# Altium PCB XXXX.687253.007.PcbDoc (part 1 of 2)
Units mm, origin at the board's own origin, x right, y up, seen from the top; angles counter-clockwise.
Board outline 88.8 x 99.3 mm, 2 copper layers (Top Layer, Bottom Layer), stack 1.571 mm thick; 138 components, 105 nets, 600 pads, 147 vias.
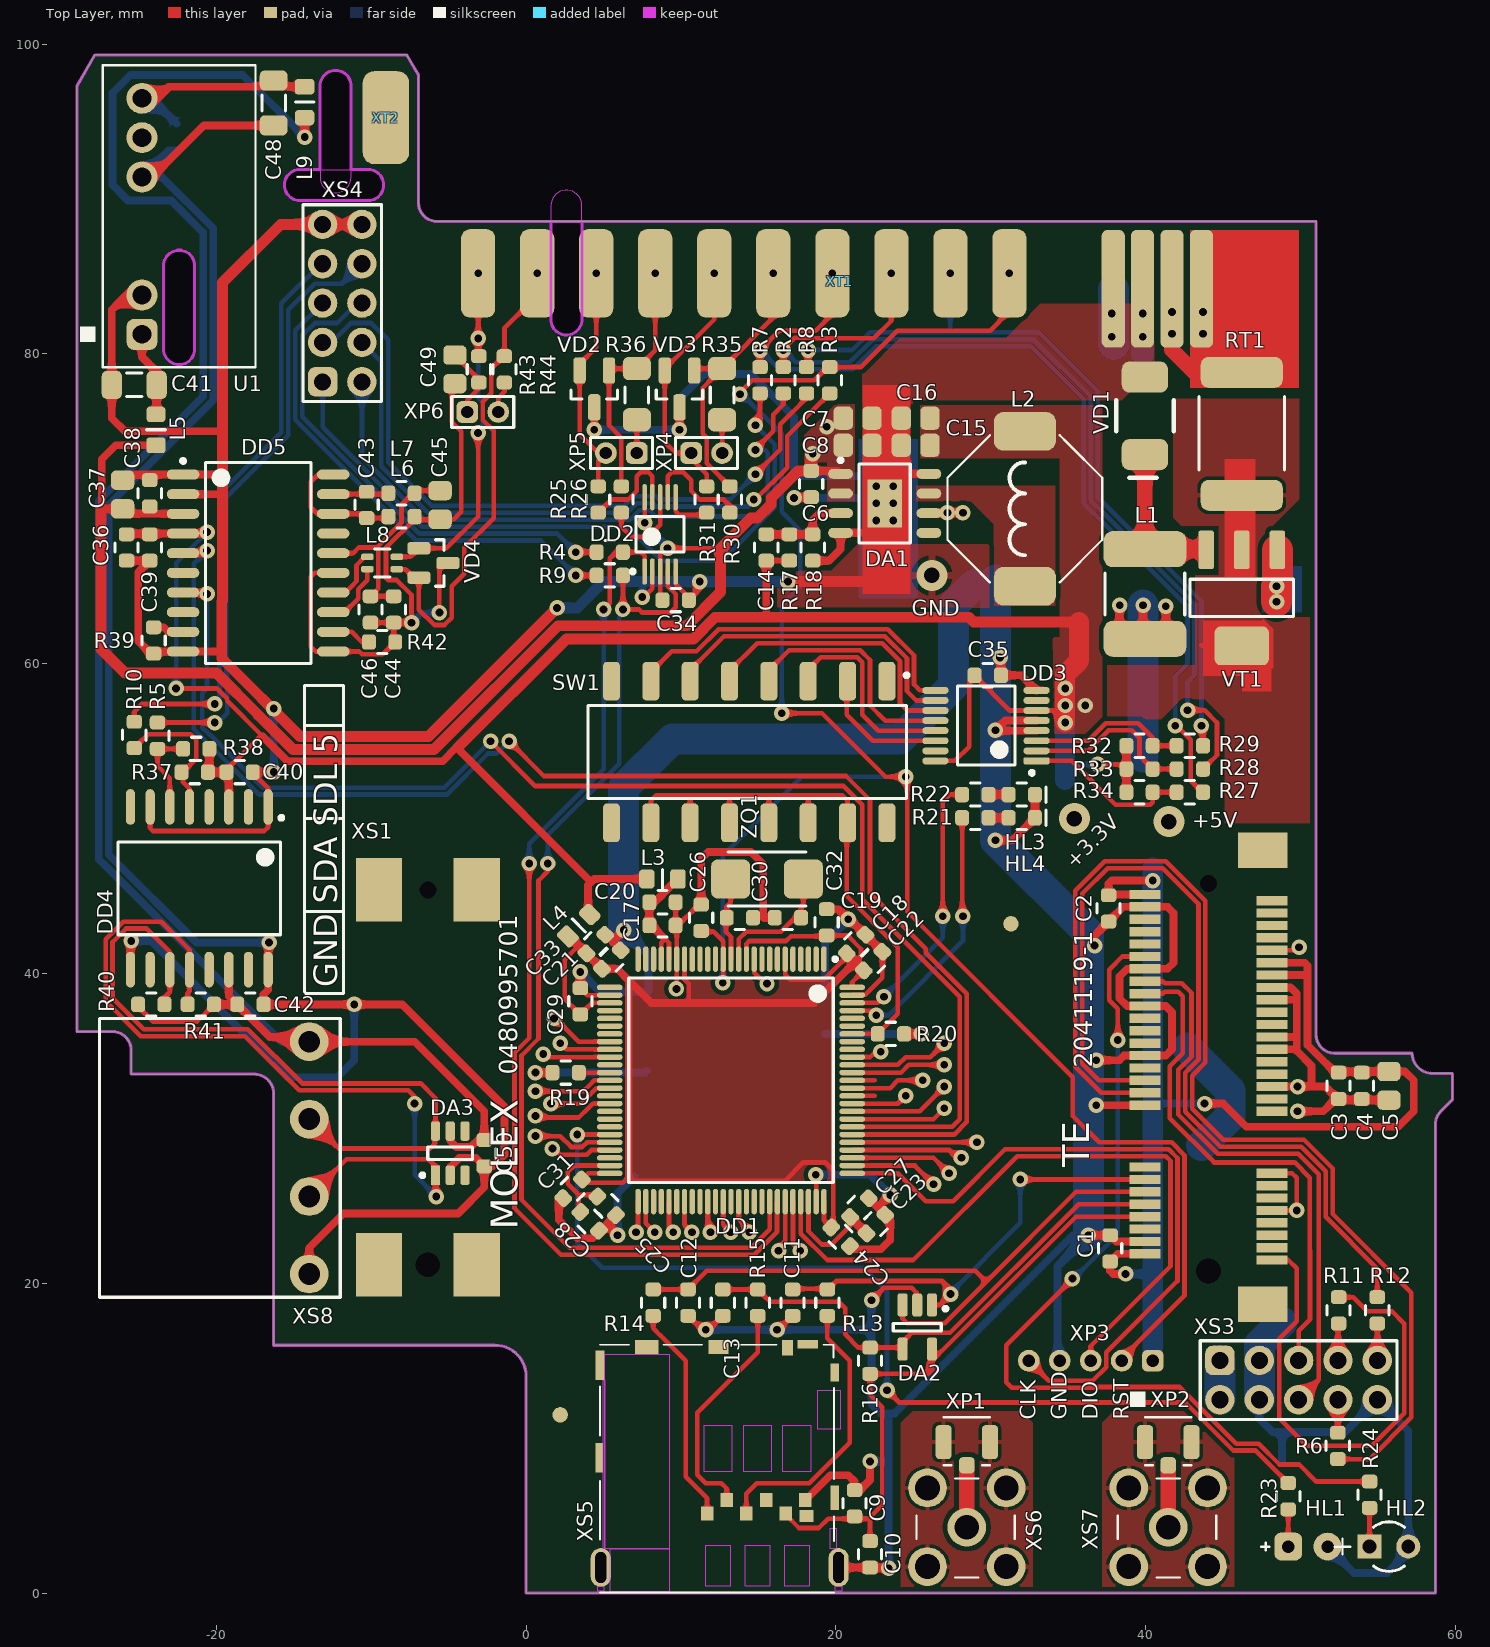
[diagram p0: Top Layer view]
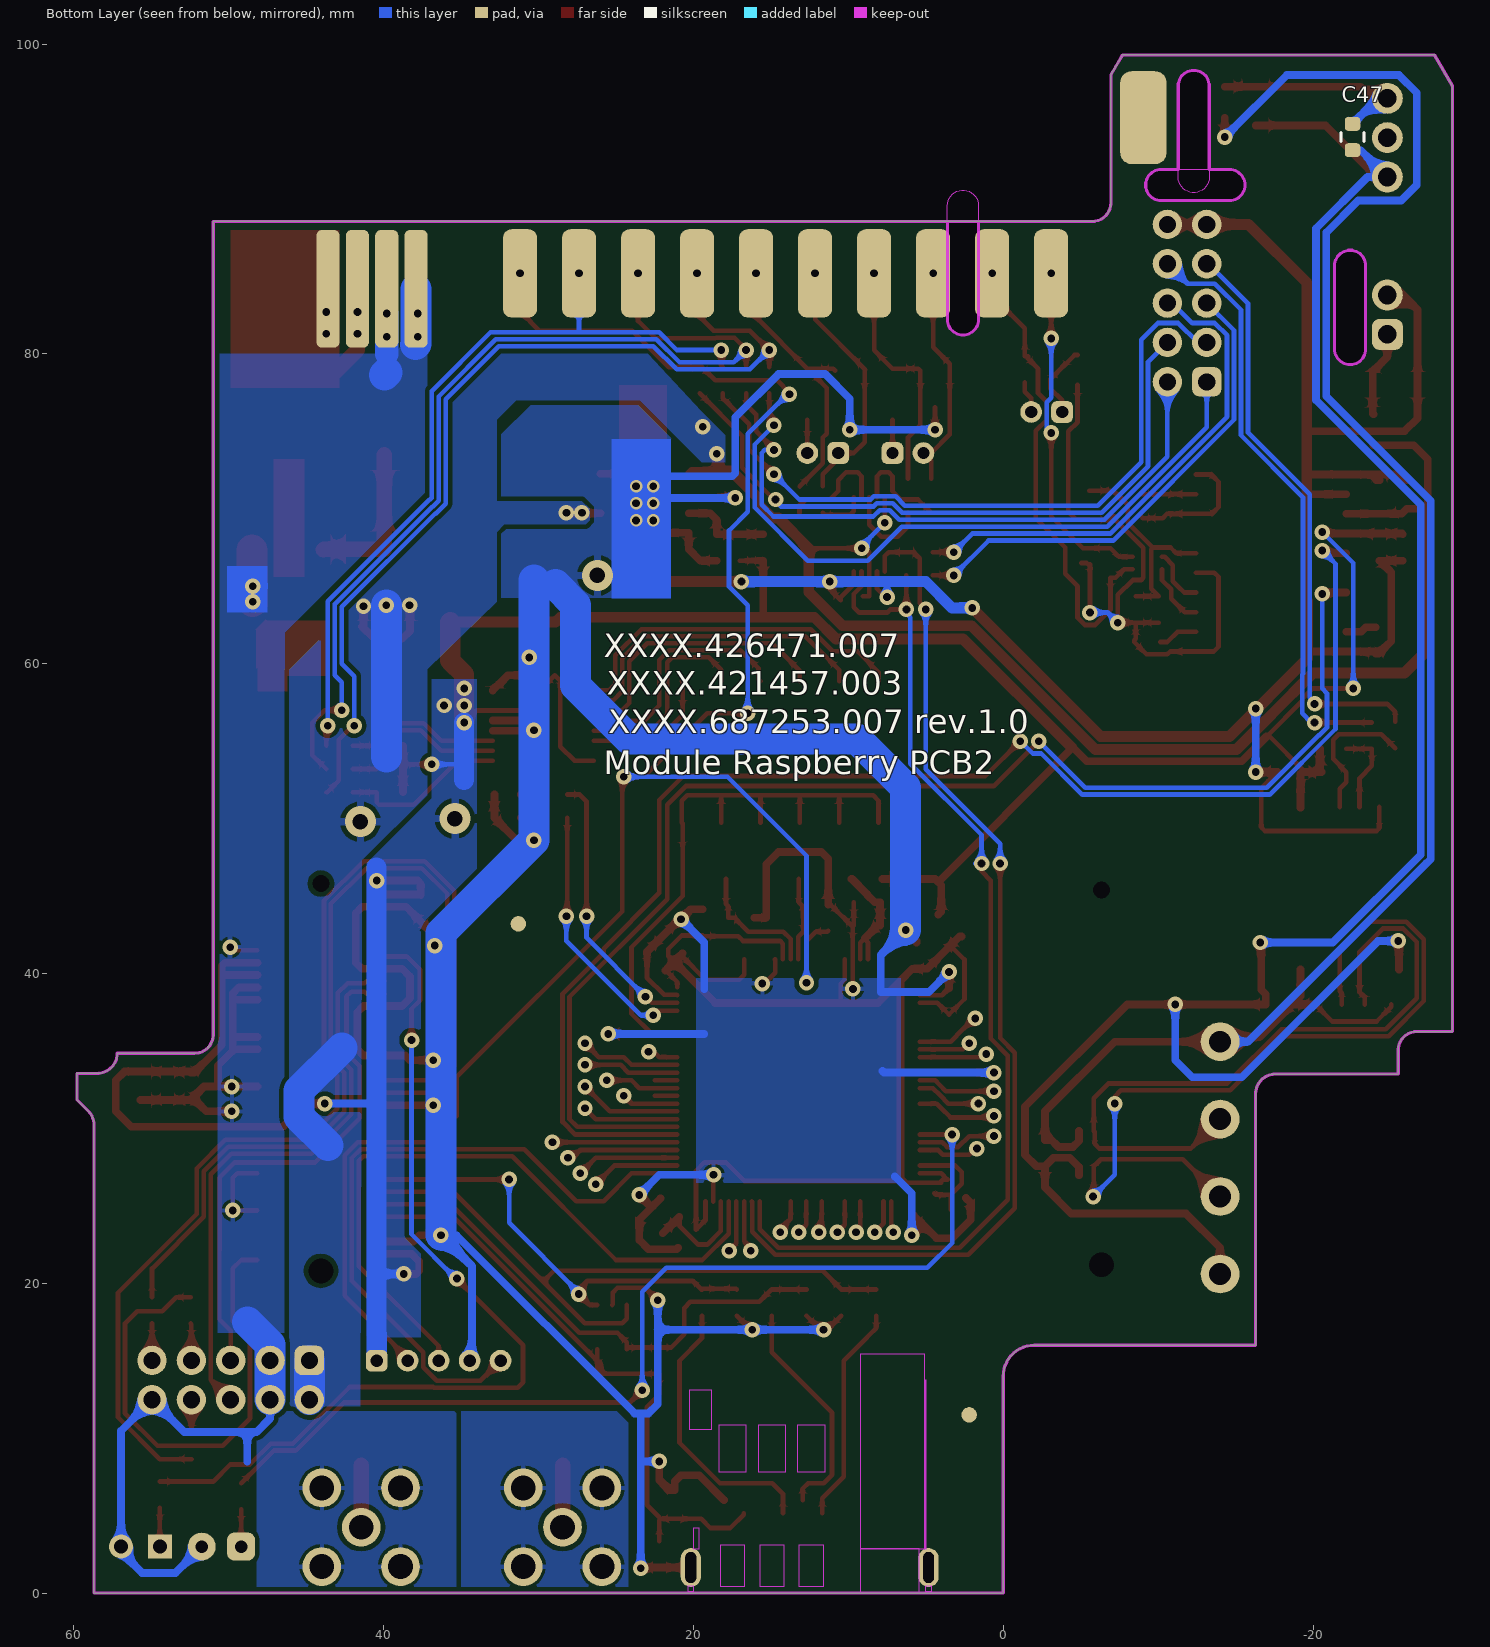
[diagram p1: Bottom Layer view, seen from below]

## Layer stack, top to bottom
Top Solder: solder mask 0.0102, Solder Resist, Dk 3.5
Top Layer: signal copper 0.0356
Dielectric1: core 1.5, FR-4, Dk 4.8
Bottom Layer: signal copper 0.0356
Bottom Solder: solder mask 0.0102, Solder Resist, Dk 3.5

## Board outline
-25.5,33.5 -25.5,35.05 ccw(c-26.7,35.05) -26.7,36.25 -29,36.25 -29,97.3 -27.845,99.3 -7.7,99.3 -7.3,98.607 -6.95,98.001 -6.95,89.75 ccw(c-5.75,89.75) -5.75,88.55 51,88.55 51,36.9 51,36.05 ccw(c52.2,36.05) 51.069,35.65 ccw(c52.2,36.05) 52.2,34.85 57.2,34.85 ccw(c58.5,34.85) 58.5,33.55 59.8,33.55 59.8,31.85 59.051,31.101 ccw(c59.9,30.253) 58.7,30.253 58.7,24.35 58.7,0 0,0 0,14 ccw(c-2,14) -2,16 -16.3,16 -16.3,32.25 ccw(c-17.55,32.25) -17.55,33.5
cut-out: -14.6,89.899 cw(c-14.6,90.9) -14.6,91.9 -10.2,91.9 cw(c-10.2,90.9) -10.2,89.899
cut-out: -13.3,91.4 ccw(c-12.3,91.4) -11.3,91.4 -11.3,97.3 ccw(c-12.3,97.3) -13.3,97.3
cut-out: -23.4,80.313 ccw(c-22.4,80.313) -21.399,80.313 -21.399,85.688 ccw(c-22.4,85.688) -23.4,85.688
cut-out: 1.6,82.225 ccw(c2.6,82.225) 3.601,82.225 3.601,89.575 ccw(c2.6,89.575) 1.6,89.575

## Design rules (kind name [scope] priority, off if disabled: settings)
Clearance [All] p1: gap=0.15 ignorepadtopadclearanceinfootprint=FALSE except(0.3: Arc-Fill Arc-Poly Arc-Region Track-Fill Track-Poly Track-Region SMDPad-Fill SMDPad-Poly SMDPad-Region THPad-Fill THPad-Poly THPad-Region Via-Fill Via-Poly Via-Region Fill-Fill Fill-Poly Fill-Region Poly-Poly Poly-Region Region-Region)
ComponentClearance [All] p1: gap=-0.5 collisioncheckmode=3 verticalgap=-0.5 showdistances=FALSE
DiffPairsRouting [All] p1: maxlimit=0.254 minlimit=0.254 mostfreqgap=0.254 toplayer_minwidth=0.3 toplayer_maxwidth=0.381 toplayer_prefwidth=0.381 bottomlayer_minwidth=0.3 bottomlayer_maxwidth=0.381 bottomlayer_prefwidth=0.381 maxuncoupledlength=20
HoleSize [All] p1: absolutevalues=TRUE maxlimit=5 minlimit=0.025 maxpercent=80.000 minpercent=20.000
HoleToHoleClearance [All] p1: gap=0.1 allowstackedmicrovias=TRUE
MinimumSolderMaskSliver [All] p1: minsoldermaskwidth=0.01
PlaneClearance [All] p1: clearance=0.2
PolygonConnect PolygonConnect_8 [(ObjectKind = 'Via') And (PadViaLibraryTemplate = 'v200h100')] p1: connectstyle=Relief reliefconductorwidth=0.5 reliefentries=4 polygonreliefangle="90 Angle" airgapwidth=0.3
PolygonConnect PolygonConnect_7 [(ObjectKind = 'Pad') And (Component = 'C8')] p2: connectstyle=Direct reliefconductorwidth=0.254 reliefentries=4 polygonreliefangle="90 Angle" airgapwidth=0.254
PolygonConnect PolygonConnect_6 [(ObjectKind = 'Pad') And (Component = 'L2')] p3: connectstyle=Direct reliefconductorwidth=0.254 reliefentries=4 polygonreliefangle="90 Angle" airgapwidth=0.254
PolygonConnect PolygonConnect_5 [(ObjectKind = 'Pad') And (Component = 'DA1')] p4: connectstyle=Direct reliefconductorwidth=0.254 reliefentries=4 polygonreliefangle="90 Angle" airgapwidth=0.254
PolygonConnect PolygonConnect_4 [InNet('+3,3 В_GSM')] p5: connectstyle=Direct reliefconductorwidth=0.254 reliefentries=4 polygonreliefangle="90 Angle" airgapwidth=0.254
PolygonConnect PolygonConnect_3 [(ObjectKind = 'Pad') And (Name = 'XT1-11')] p6: connectstyle=Direct reliefconductorwidth=0.254 reliefentries=4 polygonreliefangle="90 Angle" airgapwidth=0.254
PolygonConnect PolygonConnect_2 [(ObjectKind = 'Pad') And (Component = 'VD1')] p7: connectstyle=Direct reliefconductorwidth=0.254 reliefentries=4 polygonreliefangle="90 Angle" airgapwidth=0.254
PolygonConnect PolygonConnect_1 [InNet('+5 В')] p8: connectstyle=Direct reliefconductorwidth=0.254 reliefentries=4 polygonreliefangle="90 Angle" airgapwidth=0.254
PolygonConnect [All] p9: connectstyle=Relief reliefconductorwidth=0.3 reliefentries=4 polygonreliefangle="90 Angle" airgapwidth=0.2
RoomDefinition "XXXX.426471.007 Secondary_PCB_Raspberry_List2" [InComponentClass('XXXX.426471.007 Secondary_PCB_Raspberry_List2')] p1: confinementstyle=ConfineIn formatcopy=TRUE lockcomponents=FALSE outline 60.749,24.25 331.499,24.25 331.499,41.499 60.749,41.499
RoomDefinition "XXXX.426471.007 Secondary_PCB_Raspberry_List1" [InComponentClass('XXXX.426471.007 Secondary_PCB_Raspberry_List1')] p2: confinementstyle=ConfineIn formatcopy=TRUE lockcomponents=FALSE outline 60.749,1.75 603.748,1.75 603.748,23.25 60.749,23.25
RoutingCorners [All] p1: cornerstyle=45-Degree minsetback=2.5 maxsetback=2.5
RoutingVias [All] p1: holewidth=0.5 width=1 viastyle="Through Hole" minholewidth=0.5 minwidth=1 maxholewidth=1.5 maxwidth=2
SilkToSilkClearance [All] p1: silktosilkclearance=0
SilkToSolderMaskClearance SilkscreenOverComponentPads [IsPad] p1: minsilkscreentomaskgap=0 clearancetoexposedcopper=TRUE
SolderMaskExpansion [All] p1: expansion=0.1
Width [All] p1: maxlimit=2 minlimit=0.3 preferedwidth=0.5
21 further rules are at their usual default settings.

## Classes and differential pairs
component class MCU: DD1
component class RS422_M: DD2
component class sel: DD3
component class "XXXX.426471.007 Secondary_PCB_Raspberry_List1": C1 C2 C3 C4 C5 C6 C7 C8 C9 C10 C11 C12 C13 C14 C15 C16 C17 C18 C19 C20 C21 C22 C23 C24 C25 C26 C27 C28 C29 C30 C31 C32 C33 DA1 DA2 DD1 HL1 HL2 HL3 HL4 L1 L2 L3 L4 R2 R3 R4 R5 R6 R7 R8 R9 R10 R11 R12 R13 R14 R15 R16 R17 R18 R19 R20 R21 R22 R23 R24 RT1 VD1 VT1 XP1 XP2 XP3 XS1 XS2 XS3 XS4 XS5 XS6 XS7 XT1 ZQ1
component class "XXXX.426471.007 Secondary_PCB_Raspberry_List2": C34 C35 C36 C37 C38 C39 C40 C41 C42 C43 C44 C45 C46 C47 C48 C49 C50 C53 DA3 DD2 DD3 DD4 DD5 L5 L6 L7 L8 L9 R25 R26 R27 R28 R29 R30 R31 R32 R33 R34 R35 R36 R37 R38 R39 R40 R41 R42 R43 R44 R45 R46 SW1 U1 VD2 VD3 VD4 VD5 XP4 XP5 XP6 XS8 XT2
differential pair USB_EC25_D3: +USB_EC25_D3_P -USB_EC25_D3_N

## Components (designator, comment, footprint, x,y, rotation, side; value= is the part's Value field where it differs from the comment)
C1 "0,1мк" CAPC1608N_SL 37.7,22.25 r90 top
C2 "0,1мк" CAPC1608N_SL 37.6,44.2 r270 top
C3 "0,1мк" CAPC1608N_SL 52.45,32.75 r270 top
C4 "0,1мк" CAPC1608N_SL 53.95,32.75 r270 top
C5 "10мк" CAPC2012N 55.7,32.75 r270 top
C6 "0,1мк" CAPC1608N_sl 18.4,71.6 r270 top
C7 "10мк" CAPC2012N 21.4,75.85 r0 top
C8 "10мк" CAPC2012N 21.4,74.1 r0 top
C9 "0,1мк" CAPC1608N_SL 21.2,5.8 r90 top
C10 "33" CAPC1608N_SL 22.2,2.5 r270 top
C11 "33" CAPC1608N_SL 17.2,18.75 r270 top
C12 "33" CAPC1608N_SL 10.45,18.75 r270 top
C13 "33" CAPC1608N_SL 12.7,18.75 r270 top
C14 "33" CAPC1608N_SL 15.5,67.5 r90 top
C15 "10мк" CAPC2012N 25.15,74.1 r180 top
C16 "10мк" CAPC2012N 25.15,75.85 r180 top
C17 "0,1мк" CAPC1608N_SL 8.8,43.1 r0 top
C18 "0,1мк" CAPC1608N_SL 21.3,41.9 r45 top
C19 "20" CAPC1608N_SL 16.9,43.6 r0 top
C20 "1мк" CAPC1608N_SL 8.8,44.6 r0 top
C21 "0,1мк" CAPC1608N_SL 5.5,40.9 r45 top
C22 "0,1мк" CAPC1608N_SL 22.4,40.8 r45 top
C23 "2,2мк" CAPC1608N_SL 22.578,23.822 r45 top
C24 "0,1мк" CAPC1608N_SL 20.3,23 r315 top
C25 "2,2мк" CAPC1608N_SL 5.199,25.001 r135 top
C26 "0,1мк" CAPC1608N_SL 11.3,43.6 r270 top
C27 "0,1мк" CAPC1608N_SL 21.517,24.883 r225 top
C28 "0,1мк" CAPC1608N_SL 4.1,24 r315 top
C29 "0,1мк" CAPC1608N_SL 3.5,38.2 r90 top
C30 "20" CAPC1608N_SL 13.8,43.6 r180 top
C31 "0,1мк" CAPC1608N_SL 3,26.1 r225 top
C32 "0,1мк" CAPC1608N_SL 19.4,43.3 r90 top
C33 "4,7мк" CAPC1608N_SL 4.5,41.9 r45 top
C34 "0,1мк" CAPC1608N_SL 9.65,64.1 r180 top
C35 "0,1мк" CAPC1608N_SL 29.8,59.25 r180 top
C36 "0,01мк" CAPC1608N_SL -25.8,67.5 r90 top
C37 "10мк" CAPC2012N -26.05,70.925 r90 top
C38 "0,1мк" CAPC1608N_SL -24.3,71 r90 top
C39 "0,1мк" CAPC1608N_SL -24.3,67.5 r90 top
C40 "0,1мк" CAPC1608N_SL -18.5,53 r0 top
C41 "2,2мк" CAPC3216N -25.3,78 r180 top
C42 "0,1мк" CAPC1608N_SL -17.8,38 r0 top
C43 "0,1мк" CAPC1608N_SL -10.3,70.25 r90 top
C44 "0,01мк" CAPC1608N_SL -8.55,63.5 r270 top
C45 "10мк" CAPC2012N -5.55,70.25 r90 top
C46 "0,1мк" CAPC1608N_SL -10.05,63.5 r270 top
C47 "0,1мк" CAPC1608N_SL -22.55,94 r270 bottom
C48 "2,2мк" CAPC3216N -16.3,96.2 r270 top
C49 "4700" CAPC2012N -4.6,79 r90 top
C50 "0,1мк" CAPC1608N_SL -2.7,28.4 r270 top
DA1 "ST1S40IPHR" HSOP-8 23.15,70.35 r0 top
DA2 "ESDA5V3SC5" SOT23-5AN 25.25,17.175 r270 top
DA3 "DT1446-04TS-7" TSOT26 -4.9,28.4 r90 top
DD1 "STM32F407VET6" LQFP100 13.225,33.1 r270 top
DD2 "THVD1512DGSR" VSOP-10 8.65,68.35 r90 top
DD3 "CD74HCT238PWR" TSOP65P640X110-16N 29.7,56 r180 top
DD4 "SI8600AD-B-IS" SOIC127P1030_16N -21.1,45.5 r270 top
DD5 "ADM3055EBRIZ" SOIC20 -17.3,66.5 r0 top
HL1 "LTL-4266N" Led3mm 51.74,3 r180 top
HL2 "WP3A8GD" LED-2.5_G 55.7,3 r0 top
HL3 "FYLS-0603PGC" HL0603_GREEN_SL 32,50.05 r180 top
HL4 "FYLS-0603PGC" HL0603_GREEN_SL 32,51.55 r180 top
L1 "150" INDC_56x51 39.95,64.5 r270 top
L2 "2,2мк" sru1048 32.2,65 r90 top
L3 "220" L2012N 8.8,46.1 r180 top
L4 "220" L2012N 3.4,43.1 r45 top
L5 "220" L2012N -23.9,75.1 r90 top
L6 "600" L1608N_SL -8.05,69.5 r0 top
L7 "600" L1608N_SL -8.05,71 r0 top
L8 "Value" ACM2012-2P -9.3,66.5 r0 top
L9 "220" L2012N -14.3,96.25 r270 top
R2 "22" RESC1608N_SL 16.6,78.3 r90 top
R3 "22" RESC1608N_SL 19.6,78.3 r90 top
R4 "22" RESC1608N_SL 5.4,67.2 r0 top
R5 "22" RESC1608N_SL -23.8,55.35 r270 top
R6 "22" RESC1608N_SL 52.4,9.5 r270 top
R7 "22" RESC1608N_SL 15.1,78.3 r90 top
R8 "22" RESC1608N_SL 18.1,78.3 r90 top
R9 "22" RESC1608N_SL 5.4,65.7 r0 top
R10 "22" RESC1608N_SL -25.3,55.4 r270 top
R11 "22" RESC1608N_SL 52.45,18.25 r90 top
R12 "22" RESC1608N_SL 54.95,18.25 r90 top
R13 "22" RESC1608N_SL 19.45,18.75 r90 top
R14 "22" RESC1608N_SL 8.2,18.75 r90 top
R15 "22" RESC1608N_SL 14.95,18.75 r90 top
R16 "15к  1%" RESC1608N_SL 22.2,15 r90 top value=15к
R17 "47к  1%" RESC1608N_SL 17,67.5 r270 top value=47к
R18 "15к  1%" RESC1608N_SL 18.5,67.5 r90 top value=15к
R19 "15к  1%" RESC1608N_SL 2.55,33.6 r0 top value=15к
R20 "15к  1%" RESC1608N_SL 23.55,36.1 r0 top value=15к
R21 "1к" RESC1608N_SL 29,50.05 r0 top
R22 "1к" RESC1608N_SL 29,51.55 r0 top
R23 "1к" RESC1608N_SL 49.2,6.25 r270 top
R24 "1к" RESC1608N_SL 54.45,6.35 r270 top
R25 "22" RESC1608N_SL 4.65,70.6 r270 top
R26 "22" RESC1608N_SL 6.15,70.6 r270 top
R27 "150" RESC1608N_SL 42.85,51.7 r180 top
R28 "150" RESC1608N_SL 42.85,53.2 r180 top
R29 "150" RESC1608N_SL 42.85,54.7 r180 top
R30 "22" RESC1608N_SL 13.15,70.6 r270 top
R31 "22" RESC1608N_SL 11.65,70.6 r270 top
R32 "15к  1%" RESC1608N_SL 39.6,54.7 r180 top value=15к
R33 "15к  1%" RESC1608N_SL 39.6,53.2 r180 top value=15к
R34 "15к  1%" RESC1608N_SL 39.6,51.7 r180 top value=15к
R35 "120" RESC3216N 12.65,77.35 r90 top
R36 "120" RESC3216N 7.15,77.35 r90 top
R37 "3к" RESC1608N_SL -21.4,53 r180 top
R38 "3к" RESC1608N_SL -21.3,54.5 r180 top
R39 "15к  1%" RESC1608N_SL -24.05,61.5 r270 top value=15к
R40 "3к" RESC1608N_SL -24.2,38 r0 top
R41 "3к" RESC1608N_SL -21,38 r180 top
R42 "15к  1%" RESC1608N_SL -9.3,61.4 r180 top value=15к
R43 "62" RESC1608N_SL -3.05,79 r90 top
R44 "62" RESC1608N_SL -1.4,79 r90 top
RT1 "PTC" Fuse_2920 46.2,75 r270 top value=2920L600/12MR
SW1 "219-8LPST" DIP_SWITCH-8 14.4,54.3 r270 top
U1 "MEJ1S0505SC" MEJ1S1205SC -24.8,81.26 r90 top
VD1 "SMBJ5.0A-TR" DO-214AA(SMB) 39.95,76 r270 top
VD2 "SM712.TCT" SOT23-3L 4.4,77.85 r270 top
VD3 "SM712.TCT" SOT23-3L 9.9,77.85 r270 top
VD4 "PESD2CAN" SOT23-3N -6.05,66.5 r0 top
VT1 "DMP6023LE-13" SOT230P700X180-3M 46.2,64.25 r270 top
XP1 "1909763-1" 1909763-1 28.45,9 r0 top
XP2 "1909763-1" 1909763-1 41.45,9 r0 top
XP3 "PLS2-5" PLS2-5 39.45,15 r180 top
XP4 "PLS2-2" PLS2-2 11.65,73.6 r0 top
XP5 "PLS2-2" PLS2-2 6.15,73.6 r180 top
XP6 "PLS2-2" PLS2-2 -2.8,76.25 r0 top
XS1 "1775838-2" 2041119-1CB 44.05,20.8 r90 top locked
XS3 "DS1023-2*5S21" pbD-10 44.793,15.02 r180 top locked
XS4 "DS1023-2*5S21" pbD-10 -13.14,78.2 r270 top
XS5 "2822541-1" 2822541-1_MSIM 16.76,5.15 r0 top locked
XS6 "0733910080" 0733910080 28.45,4.25 r0 top locked
XS7 "0733910080" 0733910080 41.45,4.25 r0 top locked
XS8 "MSTBO 2,5/ 4-G1PR GY7035 - 2200326" 2200326_UP4_Phinix -14,25.599 r0 top locked
XT1 "Pads12" pads12 -3.095,85.2 r0 top locked value=pads12
XT2 "PAD" Pad_1.3X0.8 -9.05,95.25 r180 top value=PAD1.3x0.8
ZQ1 "ABM3-8.000MHZ-D2Y-T" ABM3 15.55,46.1 r0 top

## Footprints (in the part's own frame and the unit in brackets; to place one, negate y for a bottom-side part, rotate by r counter-clockwise, add the part's x,y. Pads: shape width x height; smd on the part's side, far side on the other; paste and mask are expansions set on the pad)
1909763-1 [mm]
  rrect50% 1.05x2.2 smd: 1(-1.5,0.75) 1(1.5,0.75)
  rrect50% 1x1.05 smd: 2(0,-0.75)
  silkscreen extent -1.5,-0.75 1.5,2.35, body extent -1.5,-0.75 1.5,2.35, height 1.25
2041119-1CB [mm] "CONN PCI EXP MINI FEMALE 52POS"
  rect 0.6x2 smd: 1(0.7,-4.1) 2(1.1,4.1) 3(1.5,-4.1) 4(1.9,4.1) 5(2.3,-4.1) 6(2.7,4.1) 7(3.1,-4.1) 8(3.5,4.1) 9(3.9,-4.1) 10(4.3,4.1) 11(4.7,-4.1) 12(5.1,4.1) 13(5.5,-4.1) 14(5.9,4.1) 15(6.3,-4.1) 16(6.7,4.1) 17(10.3,-4.1) 18(10.7,4.1) 19(11.1,-4.1) 20(11.5,4.1) 21(11.9,-4.1) 22(12.3,4.1) 23(12.7,-4.1) 24(13.1,4.1) 25(13.5,-4.1) 26(13.9,4.1) 27(14.3,-4.1) 28(14.7,4.1) 29(15.1,-4.1) 30(15.5,4.1) 31(15.9,-4.1) 32(16.3,4.1) 33(16.7,-4.1) 34(17.1,4.1) 35(17.5,-4.1) 36(17.9,4.1) 37(18.3,-4.1) 38(18.7,4.1) 39(19.1,-4.1) 40(19.5,4.1) 41(19.9,-4.1) 42(20.3,4.1) 43(20.7,-4.1) 44(21.1,4.1) 45(21.5,-4.1) 46(21.9,4.1) 47(22.3,-4.1) 48(22.7,4.1) 49(23.1,-4.1) 50(23.5,4.1) 51(23.9,-4.1) 52(24.3,4.1)
  rect 2.3x3.2 smd: CP1(-2.15,-3.5) CP2(27.15,-3.5)
  rect 4.08x3 smd: CP3(0.4,47.25) CP4(0.4,53.55) CP5(24.6,47.25) CP6(24.6,53.55)
  round 0 hole 1.6 unplated: TH1(0,0) TH1(0.4,50.4)
  round 0 hole 1.1 unplated: TH1(24.6,50.4)
  round 0 hole 1.1: TH2(25,0)
  body extent -2.5,-4.5 27.5,55.53, height 6.5
2200326_UP4_Phinix [mm]
  round 2.5 hole 1.4: 1(0,0) 2(0,-5) 3(0,5) 4(0,10)
  silkscreen extent -13.55,-6.5 2,11.5, body extent -13.55,-6.5 2,11.5, height 15.99
2822541-1_MSIM [mm] "TE Push-Push Micro Sim Connector"
  rect 0.8x0.9 smd: 1(0,0) 2(-2.54,0) 3(-5.08,0) 4(1.27,0.85) 5(-1.27,0.85) 6(-3.81,0.85)
  rect 0.9x0.75 smd: 7(1.33,-0.175)
  oval 1.3x2.5 hole 0.7 slot 2 at 90 deg: 8(3.41,-3.5) 17(-11.94,-3.5)
  rect 0.54x1.6 smd: 9(3.16,1)
  rect 0.54x1.17 smd: 10(3.16,9.085)
  rect 1.33x0.55 smd: 11(1.425,10.905)
  rect 0.7x0.98 smd: 12(0.11,10.69)
  rect 1.3x0.91 smd: 13(-4.34,10.725)
  rect 1.53x0.91 smd: 14(-8.975,10.725)
  rect 0.6x1.9 smd: 15(-11.99,9.55)
  rect 0.5x1.9 smd: 16(-12.04,3.58)
  Keep-Out Layer region: -11.79,8.6 -11.69,8.6 -11.69,-2.3 -11.79,-2.3
  Keep-Out Layer region: -0.18,5.67 1.61,5.67 1.61,2.67 -0.18,2.67
  Keep-Out Layer region: -2.72,5.67 -0.93,5.67 -0.93,2.67 -2.72,2.67
  Keep-Out Layer region: -5.26,5.67 -3.47,5.67 -3.47,2.67 -5.26,2.67
  Keep-Out Layer region: -12.14,-4.71 -11.74,-4.71 -11.74,-5.02 -12.14,-5.02
  Keep-Out Layer region: 2.065,7.93 3.515,7.93 3.515,5.42 2.065,5.42
  Keep-Out Layer region: 2.86,-0.95 3.26,-0.95 3.26,-2.3 2.86,-2.3
  Keep-Out Layer region: 3.21,-4.72 3.61,-4.72 3.61,-5.02 3.21,-5.02
  Keep-Out Layer region: -0.08,-2.05 1.51,-2.05 1.51,-4.72 -0.08,-4.72
  Keep-Out Layer region: -2.62,-2.05 -1.03,-2.05 -1.03,-4.72 -2.62,-4.72
  Keep-Out Layer region: -5.16,-2.05 -3.57,-2.05 -3.57,-4.72 -5.16,-4.72
  Keep-Out Layer region: -11.335,-2.3 -7.529,-2.3 -7.529,-5.07 -11.335,-5.07
  Keep-Out Layer region: -11.69,10.27 -7.529,10.27 -7.529,-2.3 -11.69,-2.3
  Keep-Out Layer region: -11.79,8.6 -11.69,8.6 -11.69,-2.3 -11.79,-2.3
  Keep-Out Layer region: -0.18,5.67 1.61,5.67 1.61,2.67 -0.18,2.67
  Keep-Out Layer region: -2.72,5.67 -0.93,5.67 -0.93,2.67 -2.72,2.67
  Keep-Out Layer region: -5.26,5.67 -3.47,5.67 -3.47,2.67 -5.26,2.67
  Keep-Out Layer region: -12.14,-4.71 -11.74,-4.71 -11.74,-5.02 -12.14,-5.02
  Keep-Out Layer region: 2.065,7.93 3.515,7.93 3.515,5.42 2.065,5.42
  Keep-Out Layer region: 2.86,-0.95 3.26,-0.95 3.26,-2.3 2.86,-2.3
  Keep-Out Layer region: 3.21,-4.72 3.61,-4.72 3.61,-5.02 3.21,-5.02
  Keep-Out Layer region: -0.08,-2.05 1.51,-2.05 1.51,-4.72 -0.08,-4.72
  Keep-Out Layer region: -2.62,-2.05 -1.03,-2.05 -1.03,-4.72 -2.62,-4.72
  Keep-Out Layer region: -5.16,-2.05 -3.57,-2.05 -3.57,-4.72 -5.16,-4.72
  Keep-Out Layer region: -11.335,-2.3 -7.529,-2.3 -7.529,-5.07 -11.335,-5.07
  Keep-Out Layer region: -11.69,10.27 -7.529,10.27 -7.529,-2.3 -11.69,-2.3
  Keep-Out Layer region: -11.79,8.6 -11.69,8.6 -11.69,-2.3 -11.79,-2.3
  Keep-Out Layer region: -0.18,5.67 1.61,5.67 1.61,2.67 -0.18,2.67
  Keep-Out Layer region: -2.72,5.67 -0.93,5.67 -0.93,2.67 -2.72,2.67
  Keep-Out Layer region: -5.26,5.67 -3.47,5.67 -3.47,2.67 -5.26,2.67
  Keep-Out Layer region: -12.14,-4.71 -11.74,-4.71 -11.74,-5.02 -12.14,-5.02
  Keep-Out Layer region: 2.065,7.93 3.515,7.93 3.515,5.42 2.065,5.42
  Keep-Out Layer region: 2.86,-0.95 3.26,-0.95 3.26,-2.3 2.86,-2.3
  Keep-Out Layer region: 3.21,-4.72 3.61,-4.72 3.61,-5.02 3.21,-5.02
  Keep-Out Layer region: -0.08,-2.05 1.51,-2.05 1.51,-4.72 -0.08,-4.72
  Keep-Out Layer region: -2.62,-2.05 -1.03,-2.05 -1.03,-4.72 -2.62,-4.72
  Keep-Out Layer region: -5.16,-2.05 -3.57,-2.05 -3.57,-4.72 -5.16,-4.72
  Keep-Out Layer region: -11.335,-2.3 -7.529,-2.3 -7.529,-5.07 -11.335,-5.07
  Keep-Out Layer region: -11.69,10.27 -7.529,10.27 -7.529,-2.3 -11.69,-2.3
  Keep-Out Layer region: -11.79,8.6 -11.69,8.6 -11.69,-2.3 -11.79,-2.3
  Keep-Out Layer region: -0.18,5.67 1.61,5.67 1.61,2.67 -0.18,2.67
  Keep-Out Layer region: -2.72,5.67 -0.93,5.67 -0.93,2.67 -2.72,2.67
  Keep-Out Layer region: -5.26,5.67 -3.47,5.67 -3.47,2.67 -5.26,2.67
  Keep-Out Layer region: -12.14,-4.71 -11.74,-4.71 -11.74,-5.02 -12.14,-5.02
  Keep-Out Layer region: 2.065,7.93 3.515,7.93 3.515,5.42 2.065,5.42
  Keep-Out Layer region: 2.86,-0.95 3.26,-0.95 3.26,-2.3 2.86,-2.3
  Keep-Out Layer region: 3.21,-4.72 3.61,-4.72 3.61,-5.02 3.21,-5.02
  Keep-Out Layer region: -0.08,-2.05 1.51,-2.05 1.51,-4.72 -0.08,-4.72
  Keep-Out Layer region: -2.62,-2.05 -1.03,-2.05 -1.03,-4.72 -2.62,-4.72
  Keep-Out Layer region: -5.16,-2.05 -3.57,-2.05 -3.57,-4.72 -5.16,-4.72
  Keep-Out Layer region: -11.335,-2.3 -7.529,-2.3 -7.529,-5.07 -11.335,-5.07
  Keep-Out Layer region: -11.69,10.27 -7.529,10.27 -7.529,-2.3 -11.69,-2.3
  Keep-Out Layer region: -11.79,8.6 -11.69,8.6 -11.69,-2.3 -11.79,-2.3
  Keep-Out Layer region: -0.18,5.67 1.61,5.67 1.61,2.67 -0.18,2.67
  Keep-Out Layer region: -2.72,5.67 -0.93,5.67 -0.93,2.67 -2.72,2.67
  Keep-Out Layer region: -5.26,5.67 -3.47,5.67 -3.47,2.67 -5.26,2.67
  Keep-Out Layer region: -12.14,-4.71 -11.74,-4.71 -11.74,-5.02 -12.14,-5.02
  Keep-Out Layer region: 2.065,7.93 3.515,7.93 3.515,5.42 2.065,5.42
  Keep-Out Layer region: 2.86,-0.95 3.26,-0.95 3.26,-2.3 2.86,-2.3
  Keep-Out Layer region: 3.21,-4.72 3.61,-4.72 3.61,-5.02 3.21,-5.02
  Keep-Out Layer region: -0.08,-2.05 1.51,-2.05 1.51,-4.72 -0.08,-4.72
  Keep-Out Layer region: -2.62,-2.05 -1.03,-2.05 -1.03,-4.72 -2.62,-4.72
  Keep-Out Layer region: -5.16,-2.05 -3.57,-2.05 -3.57,-4.72 -5.16,-4.72
  Keep-Out Layer region: -11.335,-2.3 -7.529,-2.3 -7.529,-5.07 -11.335,-5.07
  Keep-Out Layer region: -11.69,10.27 -7.529,10.27 -7.529,-2.3 -11.69,-2.3
  Keep-Out Layer region: -11.79,8.6 -11.69,8.6 -11.69,-2.3 -11.79,-2.3